# Altium PCB PIC32MZ_cam.PcbDoc (part 1 of 4) (continued)
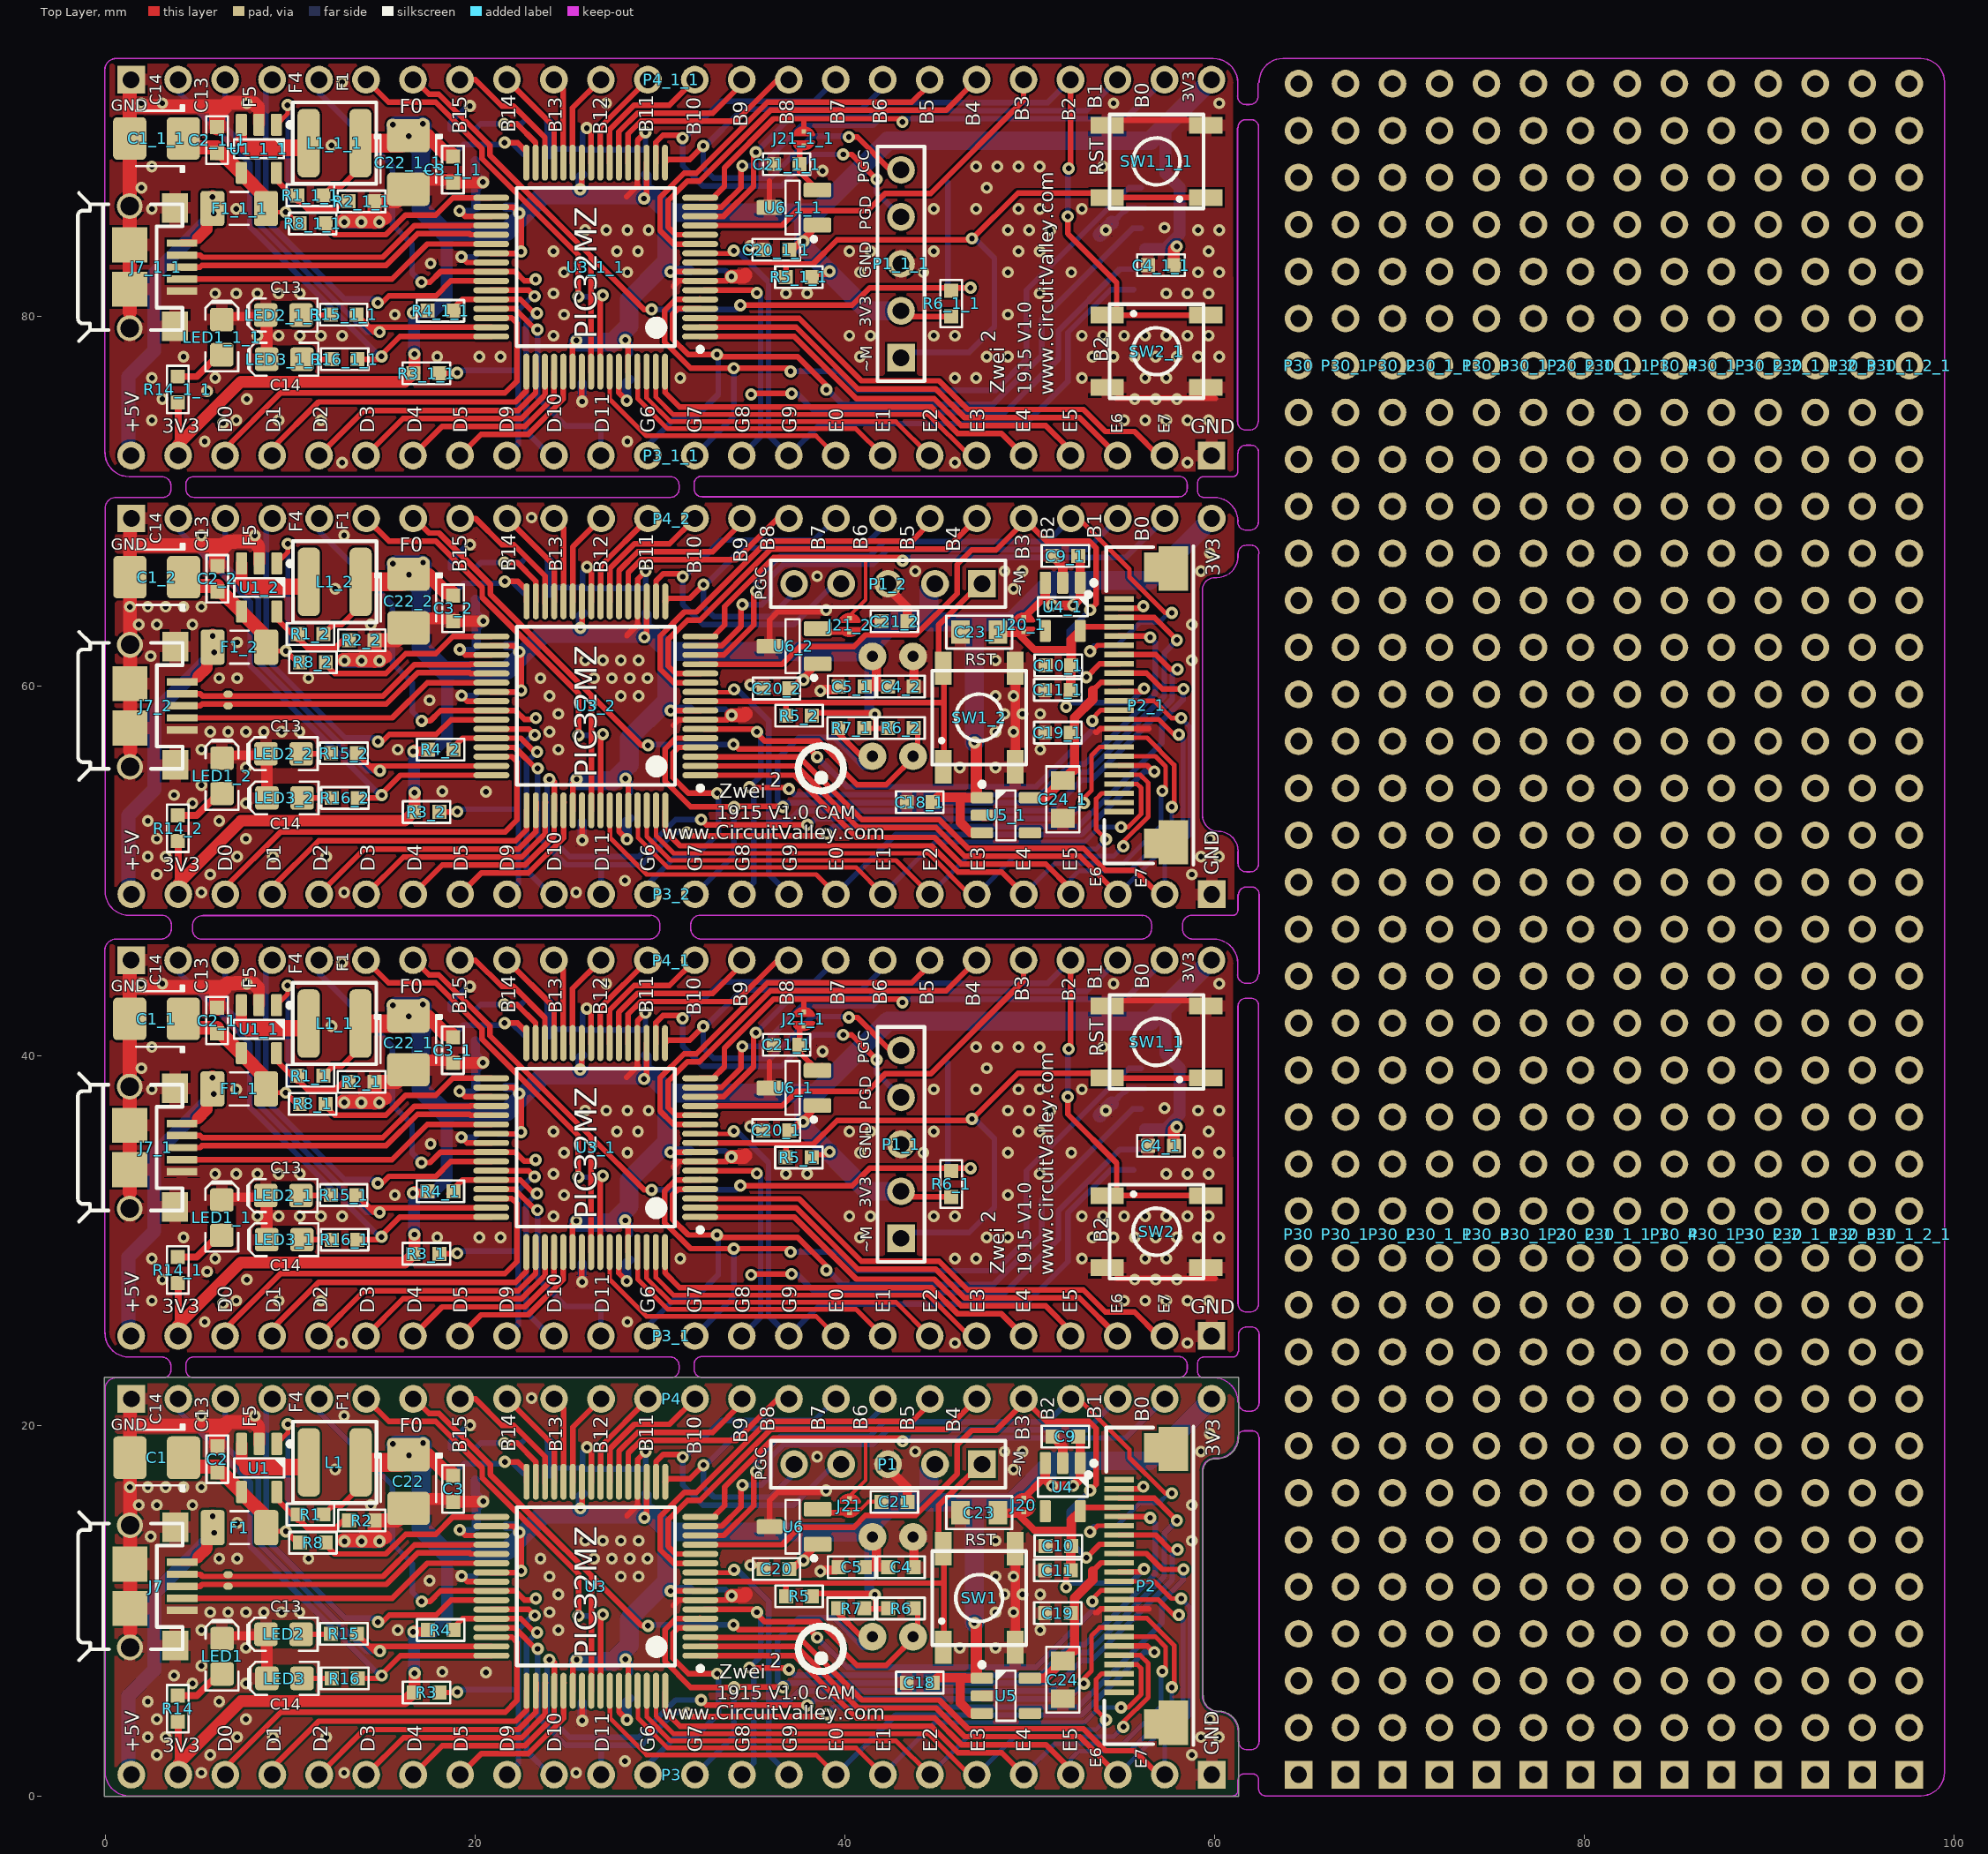
[diagram p0: Top Layer view]
## Components (designator, comment, footprint, x,y, rotation, side; value= is the part's Value field where it differs from the comment) (continued)
R14_2 "330R" 0603R-10K 3.937,51.623 r90 top (schematic designator R14)
R15 "330R" 0603R-10K 13.614,8.763 r180 top
R15_1 "330R" 0603R-10K 13.603,32.487 r180 top (schematic designator R15)
R15_1_1 "330R" 0603R-10K 13.603,80.096 r180 top (schematic designator R15)
R15_2 "330R" 0603R-10K 13.614,56.373 r180 top (schematic designator R15)
R16 "330R" 0603R-10K 13.665,6.35 r180 top
R16_1 "330R" 0603R-10K 13.654,30.074 r180 top (schematic designator R16)
R16_1_1 "330R" 0603R-10K 13.654,77.683 r180 top (schematic designator R16)
R16_2 "330R" 0603R-10K 13.665,53.96 r180 top (schematic designator R16)
SW1 "PushButton" PushButtonGrid5.08x3.81 47.269,10.693 r90 top
SW1_1 "PushButton" PushButtonGrid5.08x3.81 56.86,40.767 r180 top (schematic designator SW1)
SW1_1_1 "PushButton" PushButtonGrid5.08x3.81 56.86,88.377 r180 top (schematic designator SW1)
SW1_2 "PushButton" PushButtonGrid5.08x3.81 47.269,58.303 r90 top (schematic designator SW1)
SW2 "PushButton" PushButtonGrid5.08x3.81 56.86,30.505 r0 top
SW2_1 "PushButton" PushButtonGrid5.08x3.81 56.86,78.115 r0 top (schematic designator SW2)
U1 "AP3417C" SOT23-5 8.331,17.729 r270 top
U1_1 "AP3417C" SOT23-5 8.32,41.453 r270 top (schematic designator U1)
U1_1_1 "AP3417C" SOT23-5 8.32,89.063 r270 top (schematic designator U1)
U1_2 "AP3417C" SOT23-5 8.331,65.339 r270 top (schematic designator U1)
U2 "MLX90640" MLX90640 42.596,11.303 r270 bottom
U2_1 "MLX90640" MLX90640 42.596,58.913 r270 bottom (schematic designator U2)
U3 "PIC32MZ2048EFM064" MCHP-QFP-PT64_V 26.543,11.33 r180 top locked
U3_1 "PIC32MZ2048EFM064" MCHP-QFP-PT64_V 26.532,35.054 r180 top locked (schematic designator U3)
U3_1_1 "PIC32MZ2048EFM064" MCHP-QFP-PT64_V 26.532,82.663 r180 top locked (schematic designator U3)
U3_2 "PIC32MZ2048EFM064" MCHP-QFP-PT64_V 26.543,58.94 r180 top locked (schematic designator U3)
U4 "MIC550x" SOT23-5 51.791,16.688 r270 top
U4_1 "MIC550x" SOT23-5 51.791,64.298 r270 top (schematic designator U4)
U5 "MIC550x" SOT23-5 48.717,5.41 r0 top
U5_1 "MIC550x" SOT23-5 48.717,53.02 r0 top (schematic designator U5)
U6 "MAX6021" SOT23-3 37.186,14.554 r180 top
U6_1 "MAX6021" SOT23-3 37.175,38.278 r180 top (schematic designator U6)
U6_1_1 "MAX6021" SOT23-3 37.175,85.888 r180 top (schematic designator U6)
U6_2 "MAX6021" SOT23-3 37.186,62.164 r180 top (schematic designator U6)
X1 "TSX-3225" "Active Oscillator 2520" 19.355,17.932 r270 bottom
X1_1 "TSX-3225" "Active Oscillator 2520" 19.344,41.656 r270 bottom (schematic designator X1)
X1_1_1 "TSX-3225" "Active Oscillator 2520" 19.344,89.266 r270 bottom (schematic designator X1)
X1_2 "TSX-3225" "Active Oscillator 2520" 19.355,65.542 r270 bottom (schematic designator X1)

## Footprints (in the part's own frame and the unit in brackets; to place one, negate y for a bottom-side part, rotate by r counter-clockwise, add the part's x,y. Pads: shape width x height; smd on the part's side, far side on the other; paste and mask are expansions set on the pad)
0603C-GENERIC [mil] "CAPACITOR 0603"
  rect 30x30 smd: 1(0,0) 2(55,0)
  silkscreen extent -23,-23 78,23, body extent -4,-15 59,15, height 19
0603R-10K [mil] "RESISTOR 0603"
  rect 30x30 smd: 1(0,0) 2(55,0)
  silkscreen extent -23,-23 78,23, body extent -4,-15 59,15, height 20
0805C-TBD [mil] "CAPACITOR 0805"
  rect 40x50 smd: 1(-10,0) 2(70,0)
  silkscreen extent -40,-35 100,35, body extent -11,-25 70,25, height 26
10118193-0001lfc [mm]
  rect 0.4x1.65 smd: 1(-1.3,2.825) 2(-0.65,2.825) 3(0,2.825) 4(0.65,2.825) 5(1.3,2.825)
  round 1.4 hole 1: 6(-3.3,0) 9(3.3,0)
  rect 1.6x1.4 smd: 6(-3.2,2.45) 9(3.2,2.45)
  rect 1.9x1.9 smd: 7(-1.2,0) 8(1.2,0)
  silkscreen extent -4,-2.8 4,2.85, body extent -3.93,-2.76 3.93,2.9, height 2.81
"Active Oscillator 2520" [mm]
  rect 1x0.85 smd: 1(-0.85,-0.675) 2(0.85,-0.675) 3(0.85,0.675) 4(-0.85,0.675)
  silkscreen extent -1.25,-1 1.25,1, body extent -1.25,-1 1.25,1, height 0.56
BYPASS-MINI#1 [mil] "SOLDERDOT BYPASS"
  rect 10x10 smd paste-300: 1(19.14,0.05)
  rect 10x10 smd paste-30: 2(49.14,0.05)
  Top Layer region: 43,18 45,18 55,8 55,-9 46,-18 43,-18
  Top Layer region: 25,18 23,18 13,8 13,-9 22,-18 25,-18
  Top Layer lines w8: 25.83,20.43 ccw(c34,0) 17,13.96 ccw(c34,0) 12.22,3.14 ccw(c34,0) 12.89,-6.2 ccw(c34,0) 25.83,-20.43 25.83,0.05 25.83,9.05 25.83,20.43 ; 42.17,20.43 cw(c34,0) 55.17,-5.98 cw(c34,0) 54.01,-9.13 cw(c34,0) 50.89,-14.09 cw(c34,0) 42.17,-20.43 42.17,0.05 42.17,20.43
BYPASS-MINI#2 [mil] "SOLDERDOT BYPASS"
  rect 10x10 smd paste-300: 1(19.14,0.05)
  rect 10x10 smd paste-30: 2(49.14,0.05)
  Top Layer region: 43,18 45,18 55,8 55,-9 46,-18 43,-18
  Top Layer region: 25,18 23,18 13,8 13,-9 22,-18 25,-18
  Top Layer lines w8: 42.17,-20.43 ccw(c34,0) 45.14,-18.97 ccw(c34,0) 49.14,-15.96 ccw(c34,0) 49.14,15.96 ccw(c34,0) 47.14,17.65 ccw(c34,0) 45.14,18.97 ccw(c34,0) 42.17,20.43 42.17,16 42.17,11.14 42.17,10.1 42.17,0.05 42.17,-20.43 ; 25.83,-20.43 cw(c34,0) 12,0.05 cw(c34,0) 12.91,6.28 cw(c34,0) 17.02,13.98 cw(c34,0) 25.83,20.43 25.83,13 25.83,0.05 25.83,-20.43
BYPASS-MINI#3 [mil] "SOLDERDOT BYPASS"
  rect 10x10 smd paste-300: 1(19.14,0.05)
  rect 10x10 smd paste-30: 2(49.14,0.05)
  Top Layer region: 43,18 45,18 55,8 55,-9 46,-18 43,-18
  Top Layer region: 25,18 23,18 13,8 13,-9 22,-18 25,-18
  Top Layer lines w8: 42.17,-20.43 ccw(c34,0) 45.14,-18.97 ccw(c34,0) 49.14,-15.96 ccw(c34,0) 49.96,-15.14 ccw(c34,0) 55.42,-5 ccw(c34,0) 49.14,15.96 ccw(c34,0) 47.14,17.65 ccw(c34,0) 45.14,18.97 ccw(c34,0) 42.17,20.43 42.17,16 42.17,11.14 42.17,10.1 42.17,0.05 42.17,-8 42.17,-20.43 ; 25.83,-20.43 cw(c34,0) 12,0 cw(c34,0) 12,0.05 cw(c34,0) 12.91,6.28 cw(c34,0) 17.02,13.98 cw(c34,0) 25.83,20.43 25.83,13 25.83,0.05 25.83,-9 25.83,-20.43
CAPMP3528X210N [mm] "Molded body capacitor, Body 3.5x2.8mm, 1210, IPC Nominal settings"
  round 0.254 on Mech14: 0(0,0)
  rrect25% 1.8x2.3 smd: 1(-1.45,0) 2(1.45,0)
  Top Layer pour cut-out: -0.508,1.27 0.508,1.27 0.508,-1.27 -0.508,-1.27
  silkscreen extent -1.5,-1.8 1.1,1.8, body extent -1.75,-1.4 1.75,1.4, height 2.1
HDR1X5 [mm] "Connector; Header; 5 Position"
  rect 1.5x1.5 hole 0.9: 1(0,0)
  round 1.5 hole 0.9: 2(2.54,0) 3(5.08,0) 4(7.62,0) 5(10.16,0)
  silkscreen extent -1.27,-1.27 11.43,1.27
HDR1X24#1 [mm] "Connector; Header; 24 Position"
  rect 1.5x1.5 hole 0.9: 1(0,0)
  round 1.5 hole 0.9: 2(2.54,0) 3(5.08,0) 4(7.62,0) 5(10.16,0) 6(12.7,0) 7(15.24,0) 8(17.78,0) 9(20.32,0) 10(22.86,0) 11(25.4,0) 12(27.94,0) 13(30.48,0) 14(33.02,0) 15(35.56,0) 16(38.1,0) 17(40.64,0) 18(43.18,0) 19(45.72,0) 20(48.26,0) 21(50.8,0) 22(53.34,0) 23(55.88,0) 24(58.42,0)
HDR1X24#2 [mm] "Connector; Header; 24 Position"
  round 1.5 hole 0.9: 2(2.54,0) 3(5.08,0) 4(7.62,0) 5(10.16,0) 6(12.7,0) 7(15.24,0) 8(17.78,0) 9(20.32,0) 10(22.86,0) 11(25.4,0) 12(27.94,0) 13(30.48,0) 14(33.02,0)
LED-0805-K [mil]
  round 20 on Mech14: 0(0,0)
  rrect25% 50x50 smd: A(-37.5,0) K(37.5,0)
  Top Layer pour cut-out: -15,30 15,30 15,-30 -15,-30
  silkscreen extent -72,-35 77,35, body extent -39,-25 39,25, height 31
MCHP-QFP-PT64_V [mm] "QFP, 64-Leads, Body 10x10mm, Pitch 0.5mm"
  oval 1.95x0.33 smd: 1(-5.65,3.75) 2(-5.65,3.25) 3(-5.65,2.75) 4(-5.65,2.25) 5(-5.65,1.75) 6(-5.65,1.25) 7(-5.65,0.75) 8(-5.65,0.25) 9(-5.65,-0.25) 10(-5.65,-0.75) 11(-5.65,-1.25) 12(-5.65,-1.75) 13(-5.65,-2.25) 14(-5.65,-2.75) 15(-5.65,-3.25) 16(-5.65,-3.75) 33(5.65,-3.75) 34(5.65,-3.25) 35(5.65,-2.75) 36(5.65,-2.25) 37(5.65,-1.75) 38(5.65,-1.25) 39(5.65,-0.75) 40(5.65,-0.25) 41(5.65,0.25) 42(5.65,0.75) 43(5.65,1.25) 44(5.65,1.75) 45(5.65,2.25) 46(5.65,2.75) 47(5.65,3.25) 48(5.65,3.75)
  oval 0.33x1.95 smd: 17(-3.75,-5.65) 18(-3.25,-5.65) 19(-2.75,-5.65) 20(-2.25,-5.65) 21(-1.75,-5.65) 22(-1.25,-5.65) 23(-0.75,-5.65) 24(-0.25,-5.65) 25(0.25,-5.65) 26(0.75,-5.65) 27(1.25,-5.65) 28(1.75,-5.65) 29(2.25,-5.65) 30(2.75,-5.65) 31(3.25,-5.65) 32(3.75,-5.65) 49(3.75,5.65) 50(3.25,5.65) 51(2.75,5.65) 52(2.25,5.65) 53(1.75,5.65) 54(1.25,5.65) 55(0.75,5.65) 56(0.25,5.65) 57(-0.25,5.65) 58(-0.75,5.65) 59(-1.25,5.65) 60(-1.75,5.65) 61(-2.25,5.65) 62(-2.75,5.65) 63(-3.25,5.65) 64(-3.75,5.65)
  silkscreen extent -5.77,-4.28 4.28,4.57, body extent -6.1,-6.1 6.1,6.1, height 1.18
MicroSD_Selfeject [mm]
  rect 0.8x1.5 smd: 1(-8.94,10.7) 2(-7.84,10.3) 3(-6.74,10.7) 4(-5.64,10.9) 5(-4.54,10.7) 6(-3.44,10.9) 7(-2.34,10.7) 8(-1.24,10.7)
  rect 1.8x1.4 smd: 9(-2.05,0.25) 10(-7.75,0.25)
  rect 1.4x1.9 smd: 11(-0.45,13.55) 12(-13.6,14.55)
  silkscreen extent -14,0 0,15.3, body extent -14.04,-0.08 0.07,15.12, height 1.87
MLX90640 [mm]
  round 1.5 hole 0.6: 1(2.7,1.1) 2(-2.7,1.1) 3(-2.7,-1.1) 4(2.7,-1.1)
  silkscreen extent -4.61,-4.61 4.61,4.61, body extent -4.64,-4.65 5.65,4.65, height 11.25
"OV7xxx Cam" [mm] "Various 24Pin camera 0.5mm FPC"
  rect 0.3x1.6 smd: 1(5.75,4.1) 2(5.25,4.1) 3(4.75,4.1) 4(4.25,4.1) 5(3.75,4.1) 6(3.25,4.1) 7(2.75,4.1) 8(2.25,4.1) 9(1.75,4.1) 10(1.25,4.1) 11(0.75,4.1) 12(0.25,4.1) 13(-0.25,4.1) 14(-0.75,4.1) 15(-1.25,4.1) 16(-1.75,4.1) 17(-2.25,4.1) 18(-2.75,4.1) 19(-3.25,4.1) 20(-3.75,4.1) 21(-4.25,4.1) 22(-4.75,4.1) 23(-5.25,4.1) 24(-5.75,4.1)
  rect 1.6x0.8 smd: 25(-7.468,2.35) 25(7.468,2.35)
  rect 2.4x1.6 smd: 25(-7.4,1.15) 25(7.4,1.15)
  silkscreen extent -8.61,0.08 8.61,5.87, body extent -7.25,-17.42 7.25,4.14, height 5.3
PushButtonGrid5.08x3.81 [mm]
  rect 1.8x0.9 smd: 1(-2.667,1.95) 1(2.667,1.95) 2(-2.667,-1.95) 2(2.667,-1.95)
  silkscreen extent -2.54,-2.54 2.54,2.54, body extent -3.2,-2.6 3.2,2.6, height 1.52
RESC3216N [mm] "Chip Resistor, Body 3.2x1.6mm, 1206, IPC Medium Density"
  round 0.508 on Mech14: 0(0,0)
  rrect25% 1.3x1.9 smd: 1(-1.45,0) 2(1.45,0)
  silkscreen extent -0.51,-0.89 0.51,0.89, body extent -1.62,-0.82 1.63,0.83, height 0.69
SOT23-3 [mm]
  round 0.5 on Mech14: 0(0,0)
  rrect25% 1.5x0.8 smd: 1(-1.35,0.95) 2(-1.35,-0.95)
  rrect25% 1.4x0.8 smd: 3(1.25,0)
  silkscreen extent -1.25,-1.45 0.38,1.81, body extent -1.4,-1.45 1.4,1.45, height 1.29
SOT23-5 [mm]
  round 0.5 on Mech14: 0(0,0)
  rrect25% 1.2x0.6 smd: 1(-1.3,0.95) 2(-1.3,0) 3(-1.3,-0.95) 4(1.3,-0.95) 5(1.3,0.95)
  silkscreen extent -1.42,-1.35 0.51,1.81, body extent -1.4,-1.45 1.4,1.45, height 1.44
TAIYO_NRS4018T2R2MDGJ [mm] "TAIYO"
  rrect50% 1.2x3.7 smd: 1(-1.4,0) 2(1.4,0)
  silkscreen extent -2.26,-2.2 2.26,2.2, body extent -1.5,-1.5 1.5,1.5, height 1.35

## Part data
C1 C1_1 C1_1_1 C1_2 C22 C22_1 C22_1_1 C22_2: library part CAPT_47u_1210_6V3, "Capacitor SMD Tantalum 47uF 20% 6.3V 1210"
C2 C2_1 C2_1_1 C2_2 C3 C3_1 C3_1_1 C3_2 C4 C4_1 C4_1_1 C4_2 C5 C5_1 C6 C6_1 C6_1_1 C6_2 C7 C7_1 C7_1_1 C7_2 C8 C8_1 C8_1_1 C8_2 C9 C9_1 C10 C10_1 C11 C11_1 C18 C18_1 C19 C19_1 C20 C20_1 C20_1_1 C20_2 C21 C21_1 C21_1_1 C21_2: library part 0603C-10UF-6V3-X5R-MUR, "CAPACITOR 0603 CERAMIC"
C12 C12_1 C12_1_1 C12_2 C13 C13_1 C13_1_1 C13_2 C14 C14_1 C14_1_1 C14_2 C15 C15_1 C15_1_1 C15_2 C16 C16_1 C16_1_1 C16_2 C17 C17_1 C17_1_1 C17_2: library part 0603C-100NF-25V-X7R-TDK, "CAPACITOR 0603 CERAMIC"
C23 C23_1 C24 C24_1: library part 0805C-TBD, "CAPACITOR 0805 CERAMIC VALUE TO BE DETERMINED"
F1 F1_1 F1_1_1 F1_2: library part FUSE-GENERIC, "GENERIC FUSE"
J20 J20_1 J21 J21_1 J21_1_1 J21_2: "SOLDERDOT BYPASS"
L1 L1_1 L1_1_1 L1_2: library part inductor_smd
LED1 LED1_1 LED1_1_1 LED1_2 LED2 LED2_1 LED2_1_1 LED2_2 LED3 LED3_1 LED3_1_1 LED3_2: library part LED_SMD_Blue_0805_100mcd, "LED 0805 SMD Blue 100mcd 470nm"
P1 P1_1 P1_1_1 P1_2: "Header, 5-Pin"
P2 P2_1: library part FPC24_PIN
P3 P3_1 P3_1_1 P3_2 P4 P4_1 P4_1_1 P4_2 P30 P30 P30_1 P30_1 P30_1_1 P30_1_1 P30_1_1_1 P30_1_1_1 P30_1_1_2 P30_1_1_2 P30_1_2 P30_1_2 P30_1_2_1 P30_1_2_1 P30_1_3 P30_1_3 P30_2 P30_2 P30_2_1 P30_2_1 P30_2_2 P30_2_2 P30_3 P30_3 P30_3_1 P30_3_1 P30_4 P30_4: "Header, 24-Pin"
R1 R1_1 R1_1_1 R1_2 R2 R2_1 R2_1_1 R2_2 R3 R3_1 R3_1_1 R3_2 R4 R4_1 R4_1_1 R4_2 R5 R5_1 R5_1_1 R5_2 R6 R6_1 R6_1_1 R6_2 R7 R7_1 R8 R8_1 R8_1_1 R8_2 R14 R14_1 R14_1_1 R14_2 R15 R15_1 R15_1_1 R15_2 R16 R16_1 R16_1_1 R16_2: library part 0603R-10K, "GENERIC RESISTOR 0603"
U6 U6_1 U6_1_1 U6_2: library part MAX6021_Ref
X1 X1_1 X1_1_1 X1_2: library part Crstal_passive_2520

## Free pads (board coordinates)
  oval 0.508x0.381 smd: 0(6.655,11.328) 0(6.655,58.938) 1(6.655,11.963) 1(6.655,59.573)

## Via types
v1: diameter 0.635, hole 0.305, Top Layer to Bottom Layer, tented both sides, 430 vias
v2: diameter 0.66, hole 0.305, Top Layer to Bottom Layer, tented both sides, 318 vias

## Nets (pads, with @x,y where several pads share a name; then routed paths per layer and width w, separated by ;. In a path a pad name is that pad's centre, name@x,y a point inside that pad or via, vN(x,y) a via of type N, cw(c..) or ccw(c..) an arc to the next point about the centre after c; other vN are vias at no path point)
1V8: C19.2 C24.1 P2.10 U5.5 | length 9.2
  Top Layer w0.305: 53.416,12.167 53.853,12.604 P2.10@54.828,12.604
  Top Layer w0.508: U5.5@50.017,6.36 50.836,6.36 52.299,7.823 ; 52.426,7.849 52.426,10.693 53.416,11.684 53.416,12.167
3V0: C10.2 C11.2 C23.1 J20.1 P2.4 P2.11 U4.5 | length 17.2
  Top Layer w0.305: v2(51.968,11.278) 51.968,11.938 C11.2@52.222,12.192 ; U4.5@52.741,15.388 U4.5@52.957,15.604 ; U4.5@52.83,15.604 U4.5@52.957,15.604 ; U4.5@52.982,15.629 U4.5@52.957,15.604 ; P2.11@54.828,12.104 56.02,12.104 v2(56.185,12.268) ; P2.4@54.828,15.604 U4.5@52.957,15.604
  Top Layer w0.381: 49.484,15.136 50.243,14.376 52.197,14.376 52.248,14.326
  Top Layer w0.508: C23.1@48.235,15.291 49.328,15.291 49.424,15.291 49.452,15.32 ; C11.2@52.222,12.192 52.222,13.487 C10.2@52.248,13.513 52.248,14.326 52.248,14.895 U4.5@52.741,15.388
  Bottom Layer w0.305: v2(51.968,11.278) 52.197,11.506 55.423,11.506 v2(56.185,12.268)
+5V: F1.1 J7.1 P3.24 | length 19.7
  Top Layer w0.406: J7.1@4.171,12.63 4.756,12.63 5.029,12.903
  Top Layer w0.635: 5.029,12.903 5.512,13.386 5.512,14.201 F1.1@5.814,14.503
  Top Layer w0.762: v2(5.817,15.113) 5.817,14.3 v2(5.893,14.224)
  Bottom Layer w0.762: P3.24@1.422,1.143 1.27,1.295 1.27,5.41 2.667,6.807 2.667,10.947 5.817,14.097 v2(5.817,15.113)
C_SCL: P2.5 P3.11 R6.1 U2.4 U3.6 | length 54
  Top Layer w0.254: U3.6@32.193,10.08 U3.6@32.436,10.08
  Top Layer w0.305: U3.6@32.436,10.08 34.997,10.08 35.001,10.084 35.662,9.423 38.583,9.423 39.929,8.077 39.929,7.798 40.665,7.061 42.244,7.061 43.942,8.759 R6.1@43.942,10.084 ; v2(34.849,6.934) 34.849,6.909 37.059,6.909 v2(36.982,6.833) ; P2.5@54.828,15.104 56.448,15.104 v2(56.515,15.037)
  Bottom Layer w0.305: P3.11@34.442,1.143 35.077,1.778 v2@35.077,6.934 ; v2(34.849,6.934) 35.458,7.544 35.458,9.754 35.281,9.931 v2(35.255,9.931) ; v2(36.982,6.833) 37.287,6.528 50.57,6.528 52.221,8.179 52.981,8.179 56.794,11.992 56.794,14.757 v2(56.515,15.037)
C_SDA: P2.3 P3.12 R7.1 U2.1 U3.5 | length 58.2
  Top Layer w0.254: P3.12@31.572,1.473 P3.12@31.902,1.143
  Top Layer w0.305: U3.5@32.172,9.601 U3.5@32.193,9.58 30.865,9.58 30.277,8.992 30.277,7.263 31.673,5.867 33.731,5.867 v2@33.858,5.74 ; v2@34.011,5.893 36.627,5.893 v2(36.652,5.867) ; R7.1@39.599,10.109 39.599,9.906 40.902,8.603 U2.1@41.496,8.603 ; P2.3@54.828,16.104 56.743,16.104 v2(57.963,14.884)
  Bottom Layer w0.305: P3.12@31.902,1.143 34.011,3.251 v2(34.011,5.867) ; U2.1@41.318,8.019 41.003,8.019 39.395,9.627 37.541,9.627 36.373,8.458 36.373,6.198 36.551,6.02 36.627,6.096 50.749,6.096 52.4,7.747 53.16,7.747 57.277,11.864 57.277,14.199 v2(57.963,14.884)
CD0: P2.19 P3.9 U3.58 | length 37.4
  Top Layer w0.254: U3.58@27.28,5.589 U3.58@27.293,5.602 ; U3.58@27.305,6.097 27.305,4.191 29.286,2.21 38.456,2.21 P3.9@39.522,1.143
  Top Layer w0.305: P2.19@54.828,8.104 56.361,8.104 56.718,7.747 v2(56.744,7.772)
  Bottom Layer w0.305: P3.9@39.522,1.143 42.748,4.369 52.791,4.369 56.194,7.772 v2(56.744,7.772)
CD1: P2.21 P3.8 U3.61 | length 34.9
  Top Layer w0.254: U3.61@28.818,6.11 28.818,4.202 30.429,2.591 40.615,2.591 P3.8@42.062,1.143 ; P2.21@54.828,7.104 55.812,7.104 56.032,6.883 56.032,5.492 55.316,4.775 v2(54.94,4.775)
  Bottom Layer w0.254: P3.8@42.062,1.143 44.882,3.962 52.959,3.962 53.772,4.775 v2(54.94,4.775)
CD2: P2.22 P3.7 U3.62 | length 33
  Top Layer w0.254: U3.62@29.293,5.602 29.293,4.266 30.587,2.972 42.774,2.972 P3.7@44.602,1.143 ; U3.62@29.318,5.602 U3.62@29.318,6.11 ; v2(54.127,4.115) 53.594,4.648 53.594,6.299 53.899,6.604 P2.22@54.828,6.604
  Bottom Layer w0.254: P3.7@44.602,1.143 47.041,3.581 53.594,3.581 v2(54.127,4.115)
CD3: P2.20 P3.6 U3.63 | length 34.7
  Top Layer w0.254: U3.63@29.793,5.602 29.793,4.305 30.745,3.353 44.531,3.353 46.74,1.143 P3.6@47.142,1.143 ; P2.20@54.828,7.604 55.972,7.604 56.413,7.163 56.413,5.334 55.067,3.988 v2(55.067,3.734)
  Bottom Layer w0.254: P3.6@47.142,1.143 49.2,3.2 54.534,3.2 v2(55.067,3.734)
CD4: P2.18 P3.5 U3.64 | length 36.9
  Top Layer w0.254: P2.18@54.828,8.604 56.801,8.604 57.353,8.052 57.353,6.909 v2(57.175,6.731)
  Top Layer w0.305: U3.64@30.293,5.602 30.293,4.556 31.09,3.759 44.699,3.759 46.121,2.337 48.489,2.337 P3.5@49.682,1.143
  Bottom Layer w0.254: P3.5@49.682,1.143 51.359,2.819 55.067,2.819 57.099,4.851 57.099,6.655 v2(57.175,6.731)
CD5: P2.16 P3.4 U3.1 | length 37.4
  Top Layer w0.254: P2.16@54.828,9.604 56.34,9.604 57.81,8.133 57.81,5.994 v2(57.683,5.867)
  Top Layer w0.305: U3.1@32.193,7.58 37.276,7.58 40.64,4.216 44.854,4.216 46.302,2.769 50.876,2.769 52.222,1.422 P3.4@52.222,1.143
  Bottom Layer w0.254: P3.4@52.222,1.143 52.222,1.981 52.654,2.413 55.423,2.413 57.683,4.674 v2(57.683,5.867)
CD6: P2.14 P3.3 U3.2 | length 39.5
  Top Layer w0.254: P2.14@54.828,10.604 56.96,10.604 57.988,9.576 58.064,9.652 v2(58.064,9.779)
  Top Layer w0.305: U3.2@32.193,8.08 37.387,8.08 40.717,4.75 44.932,4.75 46.481,3.2 52.705,3.2 P3.3@54.762,1.143
  Bottom Layer w0.254: P3.3@54.762,1.143 58.293,4.674 58.293,9.55 v2(58.064,9.779)
CD7: P2.12 P3.2 U3.3 | length 42.2
  Top Layer w0.254: P2.12@54.828,11.604 56.722,11.604 57.658,10.668 v2(58.191,10.668)
  Top Layer w0.305: U3.3@32.193,8.58 32.213,8.56 37.541,8.56 40.919,5.182 45.11,5.182 46.66,3.632 52.908,3.632 54.102,2.438 55.677,2.438 56.972,1.143 P3.2@57.302,1.143
  Bottom Layer w0.254: P3.2@57.302,1.143 57.302,2.997 58.674,4.369 58.674,10.185 v2(58.191,10.668)
GND: C1.2 C2.1 C3.1 C4.1 C5.1 C6.1 C7.1 C8.2 C9.1 C10.1 C11.1 C12.1 C13.1 C14.1 C15.1 C16.1 C17.1 C18.1 C19.1 C20.1 C21.1 C22.2 C23.2 C24.2 J7.5 J7.6 J7.7 J7.8 J7.9 LED1.K LED2.K LED3.K P1.3 P2.2 P2.15 P3.1 P4.1 R2.1 SW1.2 U1.2 U2.3 U3.7 U3.20 U3.25 U3.35 U3.40 U3.55 U3.59 U4.2 U5.2 U6.3 X1.2 X1.4 | length 97.7
  Top Layer w0.305: v2(19.177,14.376) 19.473,14.08 U3.35@20.893,14.08 ; v2(19.279,11.887) 19.586,11.58 U3.40@20.893,11.58 ; U3.55@25.793,5.68 25.793,4.077 v2(25.806,4.064) ; v2(26.06,18.847) 26.293,18.614 U3.25@26.293,16.98 ; U3.59@27.793,5.68 27.793,4.541 v2(28.219,4.115) ; 28.219,15.138 28.793,15.712 U3.20@28.793,16.98 28.806,16.993 28.806,18.188 v2(29.235,18.618) ; 30.734,10.287 31.027,10.58 U3.7@32.193,10.58 33.643,10.58 v2(33.884,10.82) ; v2(34.9,12.471) 35.408,12.471 C20.1@35.611,12.268 ; U6.3@35.936,14.554 35.936,15.971 36.373,16.408 38.887,16.408 v2(38.989,16.51) ; 53.569,9.906 53.643,9.906 53.841,10.104 P2.15@54.828,10.104 56.444,10.104 56.439,10.109 ; P2.2@54.828,16.604 56.036,16.604 v2(56.146,16.713)
  Top Layer w0.508: LED1.K@6.299,8.649 8.382,8.649 LED2.K@8.75,9.017 ; v2(38.684,12.141) 38.753,12.21 39.515,12.21 C5.1@39.675,12.37 ; P1.3@42.393,17.653 43.383,16.662 C21.1@43.383,15.9 ; U2.3@43.696,14.003 43.739,13.96 C4.1@43.739,12.37 ; SW1.2@49.219,8.026 SW1.2@49.219,13.36 ; C9.1@51.232,19.431 51.791,18.872 U4.2@51.791,17.988
  Top Layer w0.635: 8.255,19.99 8.331,19.914 U1.2@8.331,19.029 ; LED3.K@8.75,6.35 LED2.K@8.75,9.017 ; C22.2@16.434,15.517 16.969,16.053 C3.1@18.771,16.053 ; C3.1@18.821,15.9 20.422,15.9 v2(20.447,15.926)
  Top Layer w0.762: 1.346,8.892 1.346,15.492 1.344,15.494 C1.2@1.344,18.288 1.344,20.015 ; P4.1@1.422,21.463 1.344,21.385 1.344,20.015 ; 8.255,19.99 8.026,20.218 7.037,20.218 7.023,20.205 6.642,20.205 6.452,20.015 1.344,20.015 ; v2@12.878,13.818 v2@13.995,13.818 ; v2@13.741,13.792 v2@14.859,13.792 ; v2@14.021,13.995 15.138,13.995 ; v2@14.58,13.767 R2.1@14.58,14.884 15.801,14.884 C22.2@16.434,15.517 ; v2(33.884,10.82) 34.552,10.82 34.637,10.905
  Top Layer w0.889: C2.1@6.071,18.898 6.071,19.633 6.452,20.015
  Bottom Layer w0.305: X1.4@18.68,18.782 18.68,19.137 19.583,20.041 v2(19.736,20.041) ; v2(19.177,14.376) 19.914,14.376 C8.2@20.117,14.58 ; v2(19.279,11.887) 20.015,11.887 C14.1@20.142,12.014 ; C7.1@24.028,17.424 24.333,17.729 C13.1@25.832,17.729 ; C15.1@25.806,5.055 C15.1@25.857,5.105 ; v2(26.06,18.847) 25.832,18.618 C13.1@25.832,17.729 ; v2(29.235,18.618) 29.235,17.678 25.883,17.678 C13.1@25.832,17.729 ; C17.1@33.045,11.151 33.553,11.151 v2(33.884,10.82)
  Bottom Layer w0.508: X1.2@20.03,17.082 20.03,16.343 v2(20.447,15.926) 20.066,15.545 20.066,14.63 C8.2@20.117,14.58 ; C6.1@24.003,19.177 24.028,19.152 C7.1@24.028,17.424 ; v2(25.806,4.064) C15.1@25.806,5.055 ; v2(28.219,4.115) 28.219,5.105 C16.1@28.372,5.258
  Bottom Layer w0.762: v2(12.954,13.767) v2(13.868,13.767) v2(14.834,13.767)
  other v1: 5.207,1.245 12.929,1.245 25.476,1.245 28.118,1.88 2.794,2.21 5.69,2.21 58.776,2.21 2.311,3.175 3.277,3.175 7.137,3.175 9.068,3.175 11.963,3.175 59.258,3.175 60.223,3.175 2.794,4.14 7.62,4.14 59.741,4.14 2.311,5.105 6.172,5.105 4.724,6.071 7.62,6.071 3.734,6.502 20.599,6.68 18.237,6.706 5.207,7.036 7.62,8.001 46.228,8.001 48.158,8.001 5.207,8.966 15.824,8.966 24.511,8.966 50.571,8.966 5.69,9.931 6.655,9.931 7.62,9.931 8.585,9.931 9.55,9.931 10.516,9.931 24.028,9.931 48.158,9.931 49.124,9.931 24.511,10.897 48.641,10.897 49.606,10.897 50.571,10.897 17.551,11.633 24.028,11.862 27.889,11.862 28.854,11.862 48.158,11.862 49.124,11.862 6.172,12.827 7.137,12.827 10.998,12.827 23.546,12.827 26.441,12.827 27.407,12.827 28.372,12.827 29.337,12.827 25.959,13.792 26.924,13.792 27.889,13.792 28.854,13.792 48.158,13.792 58.776,13.792 2.464,14.021 7.137,14.757 1.829,15.723 2.794,15.723 4.724,15.723 14.376,15.723 58.776,15.723 1.346,16.688 2.311,16.688 3.277,16.688 4.242,16.688 5.207,16.688 12.446,17.653 49.124,17.653 38.506,18.339 43.815,18.618 48.641,18.618 49.606,18.618 59.258,18.618 59.741,19.583 5.207,20.549 8.103,20.549 12.929,20.549 23.063,21.514 6.377,26.619 5.514,28.346 17.604,35.255 5.207,48.854 12.929,48.854 25.476,48.854 28.118,49.489 2.794,49.82 5.69,49.82 58.776,49.82 2.311,50.785 3.277,50.785 7.137,50.785 9.068,50.785 11.963,50.785 59.258,50.785 60.223,50.785 2.794,51.75 7.62,51.75 59.741,51.75 2.311,52.715 6.172,52.715 4.724,53.68 7.62,53.68 3.734,54.112 20.599,54.29 18.237,54.315 5.207,54.646 7.62,55.611 46.228,55.611 48.158,55.611 5.207,56.576 15.824,56.576 24.511,56.576 50.571,56.576 5.69,57.541 6.655,57.541 7.62,57.541 8.585,57.541 9.55,57.541 10.516,57.541 24.028,57.541 48.158,57.541 49.124,57.541 24.511,58.506 48.641,58.506 49.606,58.506 50.571,58.506 17.551,59.243 24.028,59.472 27.889,59.472 28.854,59.472 48.158,59.472 49.124,59.472 6.172,60.437 7.137,60.437 10.998,60.437 23.546,60.437 26.441,60.437 27.407,60.437 28.372,60.437 29.337,60.437 25.959,61.402 26.924,61.402 27.889,61.402 28.854,61.402 48.158,61.402 58.776,61.402 2.464,61.631 7.137,62.367 1.829,63.332 2.794,63.332 4.724,63.332 14.376,63.332 58.776,63.332 1.346,64.298 2.311,64.298 3.277,64.298 4.242,64.298 5.207,64.298 12.446,65.263 49.124,65.263 38.506,65.949 43.815,66.228 48.641,66.228 49.606,66.228 59.258,66.228 59.741,67.193 5.207,68.158 8.103,68.158 12.929,68.158 23.063,69.124 6.377,74.229 5.514,75.956 17.604,82.865
INT1/VSYNC: P2.7 P3.10 U3.10 | length 44
  Top Layer w0.254: U3.10@32.281,12.09 32.307,12.065 33.858,12.065 v2(34.011,12.217)
  Top Layer w0.305: P2.7@54.828,14.104 56.813,14.104 57.607,13.31 v2(57.988,13.31)
  Bottom Layer w0.305: v2(34.011,12.217) 34.188,12.217 35.89,10.516 35.89,2.235 P3.10@36.982,1.143 ; 35.89,5.105 36.957,5.105 37.516,5.664 51.156,5.664 52.807,7.315 53.339,7.315 57.709,11.685 57.709,13.03 v2(57.988,13.31)
NetC6_2: C6.2 U3.31 X1.1 | length 5.9
  Top Layer w0.305: v2(21.59,19.075) 22.285,19.075 23.293,18.068 U3.31@23.293,16.98
  Bottom Layer w0.305: X1.1@20.03,18.782 20.323,19.075 v2(21.59,19.075) 22.504,19.075 C6.2@22.606,19.177
NetC7_2: C7.2 U3.32 X1.3 | length 6.5
  Top Layer w0.305: v2(21.615,18.059) 22.327,18.059 22.793,17.593 U3.32@22.793,16.98
  Bottom Layer w0.305: X1.3@18.68,17.232 19.406,17.958 21.514,17.958 v2(21.615,18.059) 21.996,18.059 C7.2@22.631,17.424
NetC21_2: C21.2 J21.2 U6.2 | length 4
  Top Layer w0.203: 40.083,15.439 40.338,15.439 40.364,15.439 40.488,15.439 40.563,15.363 40.738,15.363 41.275,15.9 C21.2@41.986,15.9
  Top Layer w0.305: U6.2@38.713,15.377 38.713,15.313 40.529,15.313
NetL1_1: L1.1 U1.3 | length 4.8
  Top Layer w0.635: U1.3@7.381,19.029 7.381,18.095 7.696,17.78
  Top Layer w0.889: 7.696,17.78 10.767,17.78 L1.1@11.021,18.034
NetLED1_A: LED1.A R14.2 | length 2.9
  Top Layer w0.381: R14.2@3.937,5.41 4.966,5.41 LED1.A@6.299,6.744
NetLED2_A: LED2.A R15.2 | length 1.6
  Top Layer w0.305: LED2.A@10.604,8.738 12.192,8.738 R15.2@12.217,8.763
NetLED3_A: LED3.A R16.2 | length 1.6
  Top Layer w0.305: LED3.A@10.655,6.35 R16.2@12.268,6.35
NetR1_1: R1.1 R2.2 U1.5 | length 5
  Top Layer w0.305: U1.5@9.281,16.429 9.281,16.043 R1.1@10.414,14.91 ; R1.1@10.414,15.011 10.973,14.453 12.446,14.453 R2.2@12.967,14.973
NetR8_2: R8.2 U3.33 | length 10.2
  Top Layer w0.305: R8.2@11.811,13.691 12.421,13.081 15.189,13.081 16.256,14.148 17.882,14.148 18.814,15.08 U3.33@20.893,15.08
PCS1/HSYNC: P2.9 P3.14 U3.45 | length 52.9
  Top Layer w0.305: U3.45@20.893,9.08 22.162,9.08 23.393,7.849 v2(23.393,7.95) ; v2(31.471,4.47) 31.648,4.293 38.887,4.293 v2(39.014,4.42) ; P2.9@54.828,13.104 56.314,13.104 57.175,12.243 v2(58.318,12.243)
  Bottom Layer w0.305: v2(23.393,7.95) 23.393,4.267 24.923,2.738 26.772,2.738 ; P3.14@26.822,1.143 26.822,2.687 26.772,2.738 ; v2(31.471,4.47) 31.445,4.496 30.786,4.496 29.028,2.738 26.772,2.738 ; v2(39.014,4.42) 39.395,4.801 52.612,4.801 57.15,9.339 57.15,10.516 58.293,11.659 58.293,12.217 v2(58.318,12.243)
PDOWN: P2.8 P4.20 U3.13 | length 36.4
  Top Layer w0.305: U3.13@32.193,13.58 36.618,13.58 37.567,14.529 40.488,14.529 41.123,15.164 43.84,15.164 46.076,17.399 46.076,18.974 46.863,19.761 48.184,19.761 49.682,21.26 P4.20@49.682,21.463 50.902,20.244 53.213,20.244 53.594,19.863 53.594,16.84 v2(53.264,16.51) ; v2(53.061,12.878) 53.787,13.604 P2.8@54.828,13.604
  Bottom Layer w0.305: v2(53.061,12.878) 52.146,13.792 52.146,15.392 v2(53.264,16.51)
PGC: P1.5 P4.17 U3.17 | length 21.4
  Top Layer w0.254: U3.17@30.293,16.902 U3.17@30.332,16.941
  Top Layer w0.305: U3.17@30.293,16.98 30.458,17.145 31.623,17.145 v2(32.36,17.882)
  Bottom Layer w0.305: v2(32.36,17.882) v2@32.36,17.755 ; P1.5@37.49,17.907 37.49,17.653 35.992,16.154 32.918,16.154 32.36,16.713 v2@32.36,17.755 ; P4.17@42.062,21.463 42.062,21.006 40.919,19.863 34.468,19.863 v2@32.36,17.755
PGD: P1.4 P4.16 U3.18 | length 23.8
  Top Layer w0.254: P4.16@39.522,21.184 P4.16@39.522,21.463
  Top Layer w0.305: U3.18@29.793,16.98 29.793,18.084 30.175,18.466 31.09,18.466 v2(31.242,18.313)
  Bottom Layer w0.305: v2(31.242,18.313) 31.242,16.815 32.334,15.723 37.236,15.723 39.167,17.653 P1.4@39.853,17.653 ; v2@31.407,18.377 33.325,20.295 38.354,20.295 P4.16@39.522,21.463
PMWR/PCLK: P2.17 P3.18 U3.52 | length 50.6
  Top Layer w0.254: v2(52.934,6.071) 52.934,6.35 53.34,6.756 53.34,8.661 53.782,9.104 P2.17@54.828,9.104
  Top Layer w0.305: P3.18@16.662,1.143 18.237,2.718 22.711,2.718 24.282,4.289 U3.52@24.282,5.68 ; v2(24.028,7.366) 24.155,7.366 24.293,7.228 U3.52@24.293,5.68 ; v2(32.233,5.182) 32.512,4.902 v2(37.973,4.902)
  Bottom Layer w0.305: v2(24.028,7.366) 23.901,7.239 23.901,4.394 25.126,3.17 28.849,3.17 30.861,5.182 v2(32.233,5.182) ; v2(37.973,4.902) 38.075,4.902 38.405,5.232 52.095,5.232 v2(52.934,6.071)
RB0: J21.1 P4.23 U3.16 | length 32.3
  Top Layer w0.203: 40.083,16.024 41.123,17.064 41.123,19.355
  Top Layer w0.305: U3.16@32.193,15.08 32.885,15.08 33.503,15.697 33.503,16.703 36.155,19.355 41.123,19.355 43.104,19.355 43.129,19.329 v2(43.129,19.177)
  Bottom Layer w0.305: v2(43.129,19.177) 43.307,19.355 55.194,19.355 P4.23@57.302,21.463
RB1: P4.22 U3.15 | length 26.6
  Top Layer w0.305: U3.15@32.193,14.58 33.35,14.58 34.392,15.622 34.392,16.73 v2(34.468,16.806)
  Bottom Layer w0.305: v2(34.468,16.806) 35.5,16.806 35.992,17.297 35.992,18.288 36.703,18.999 41.529,18.999 42.316,19.787 53.086,19.787 P4.22@54.762,21.463
RB2: P2.6 P4.21 U3.14 | length 39.5
  Top Layer w0.254: P4.21@52.222,21.463 52.654,21.463 55.397,18.72 55.397,18.288 57.328,16.358 v2(57.683,16.358) ; v2(53.264,14.275) 53.264,14.249 53.289,14.224 53.669,14.604 P2.6@54.828,14.604
  Top Layer w0.305: U3.14@32.193,14.08 33.46,14.08 35.077,15.697 35.077,17.415 v2(35.204,17.542)
  Bottom Layer w0.254: v2(53.264,14.275) 53.162,14.275 53.467,14.58 54.712,14.58 55.969,15.837 56.985,15.837 57.506,16.358 v2(57.683,16.358)
  Bottom Layer w0.305: v2(35.204,17.542) 35.204,18.111 36.524,19.431 41.35,19.431 42.138,20.218 50.978,20.218 P4.21@52.222,21.463
RB4: P4.19 U3.12 | length 22.7
  Top Layer w0.305: U3.12@32.193,13.08 30.862,13.08 30.455,13.487 30.455,14.926 31.501,15.972 32.161,15.972 36.001,19.812 45.491,19.812 P4.19@47.142,21.463
RB5: P4.18 U3.11 | length 21.6
  Top Layer w0.305: 30.683,12.648 30.023,13.309 30.023,15.105 31.322,16.404 31.982,16.404 35.822,20.244 43.637,20.244 44.602,21.209 P4.18@44.602,21.463 ; 30.684,12.648 30.759,12.573 32.186,12.573 U3.11@32.193,12.58
RB8: P4.15 U3.21 | length 11.5
  Top Layer w0.254: U3.21@28.293,16.902 U3.21@28.293,16.98
  Top Layer w0.305: U3.21@28.293,16.98 28.293,18.539 28.981,19.228 34.138,19.228 36.373,21.463 P4.15@36.982,21.463
RB9: P4.14 U3.22 | length 9.6
  Top Layer w0.305: U3.22@27.793,16.98 27.793,18.65 28.803,19.66 32.868,19.66 34.442,21.234 P4.14@34.442,21.463
RB10: P4.13 U3.23 | length 7.6
  Top Layer w0.254: U3.23@27.293,16.902 U3.23@27.293,16.98
  Top Layer w0.305: U3.23@27.293,16.98 27.293,18.761 28.624,20.091 30.531,20.091 P4.13@31.902,21.463
RB11: P4.12 U3.24 | length 5.6
  Top Layer w0.254: U3.24@26.793,16.902 U3.24@26.793,16.98
  Top Layer w0.305: U3.24@26.793,16.98 26.793,18.894 P4.12@29.362,21.463
RB12: P4.11 U3.27 | length 5.2
  Top Layer w0.254: U3.27@25.293,16.902 U3.27@25.293,16.98
  Top Layer w0.305: U3.27@25.293,16.98 25.293,19.934 P4.11@26.822,21.463